# Altium PCB CPU_CARD.pcbdoc (part 3 of 10) (continued)
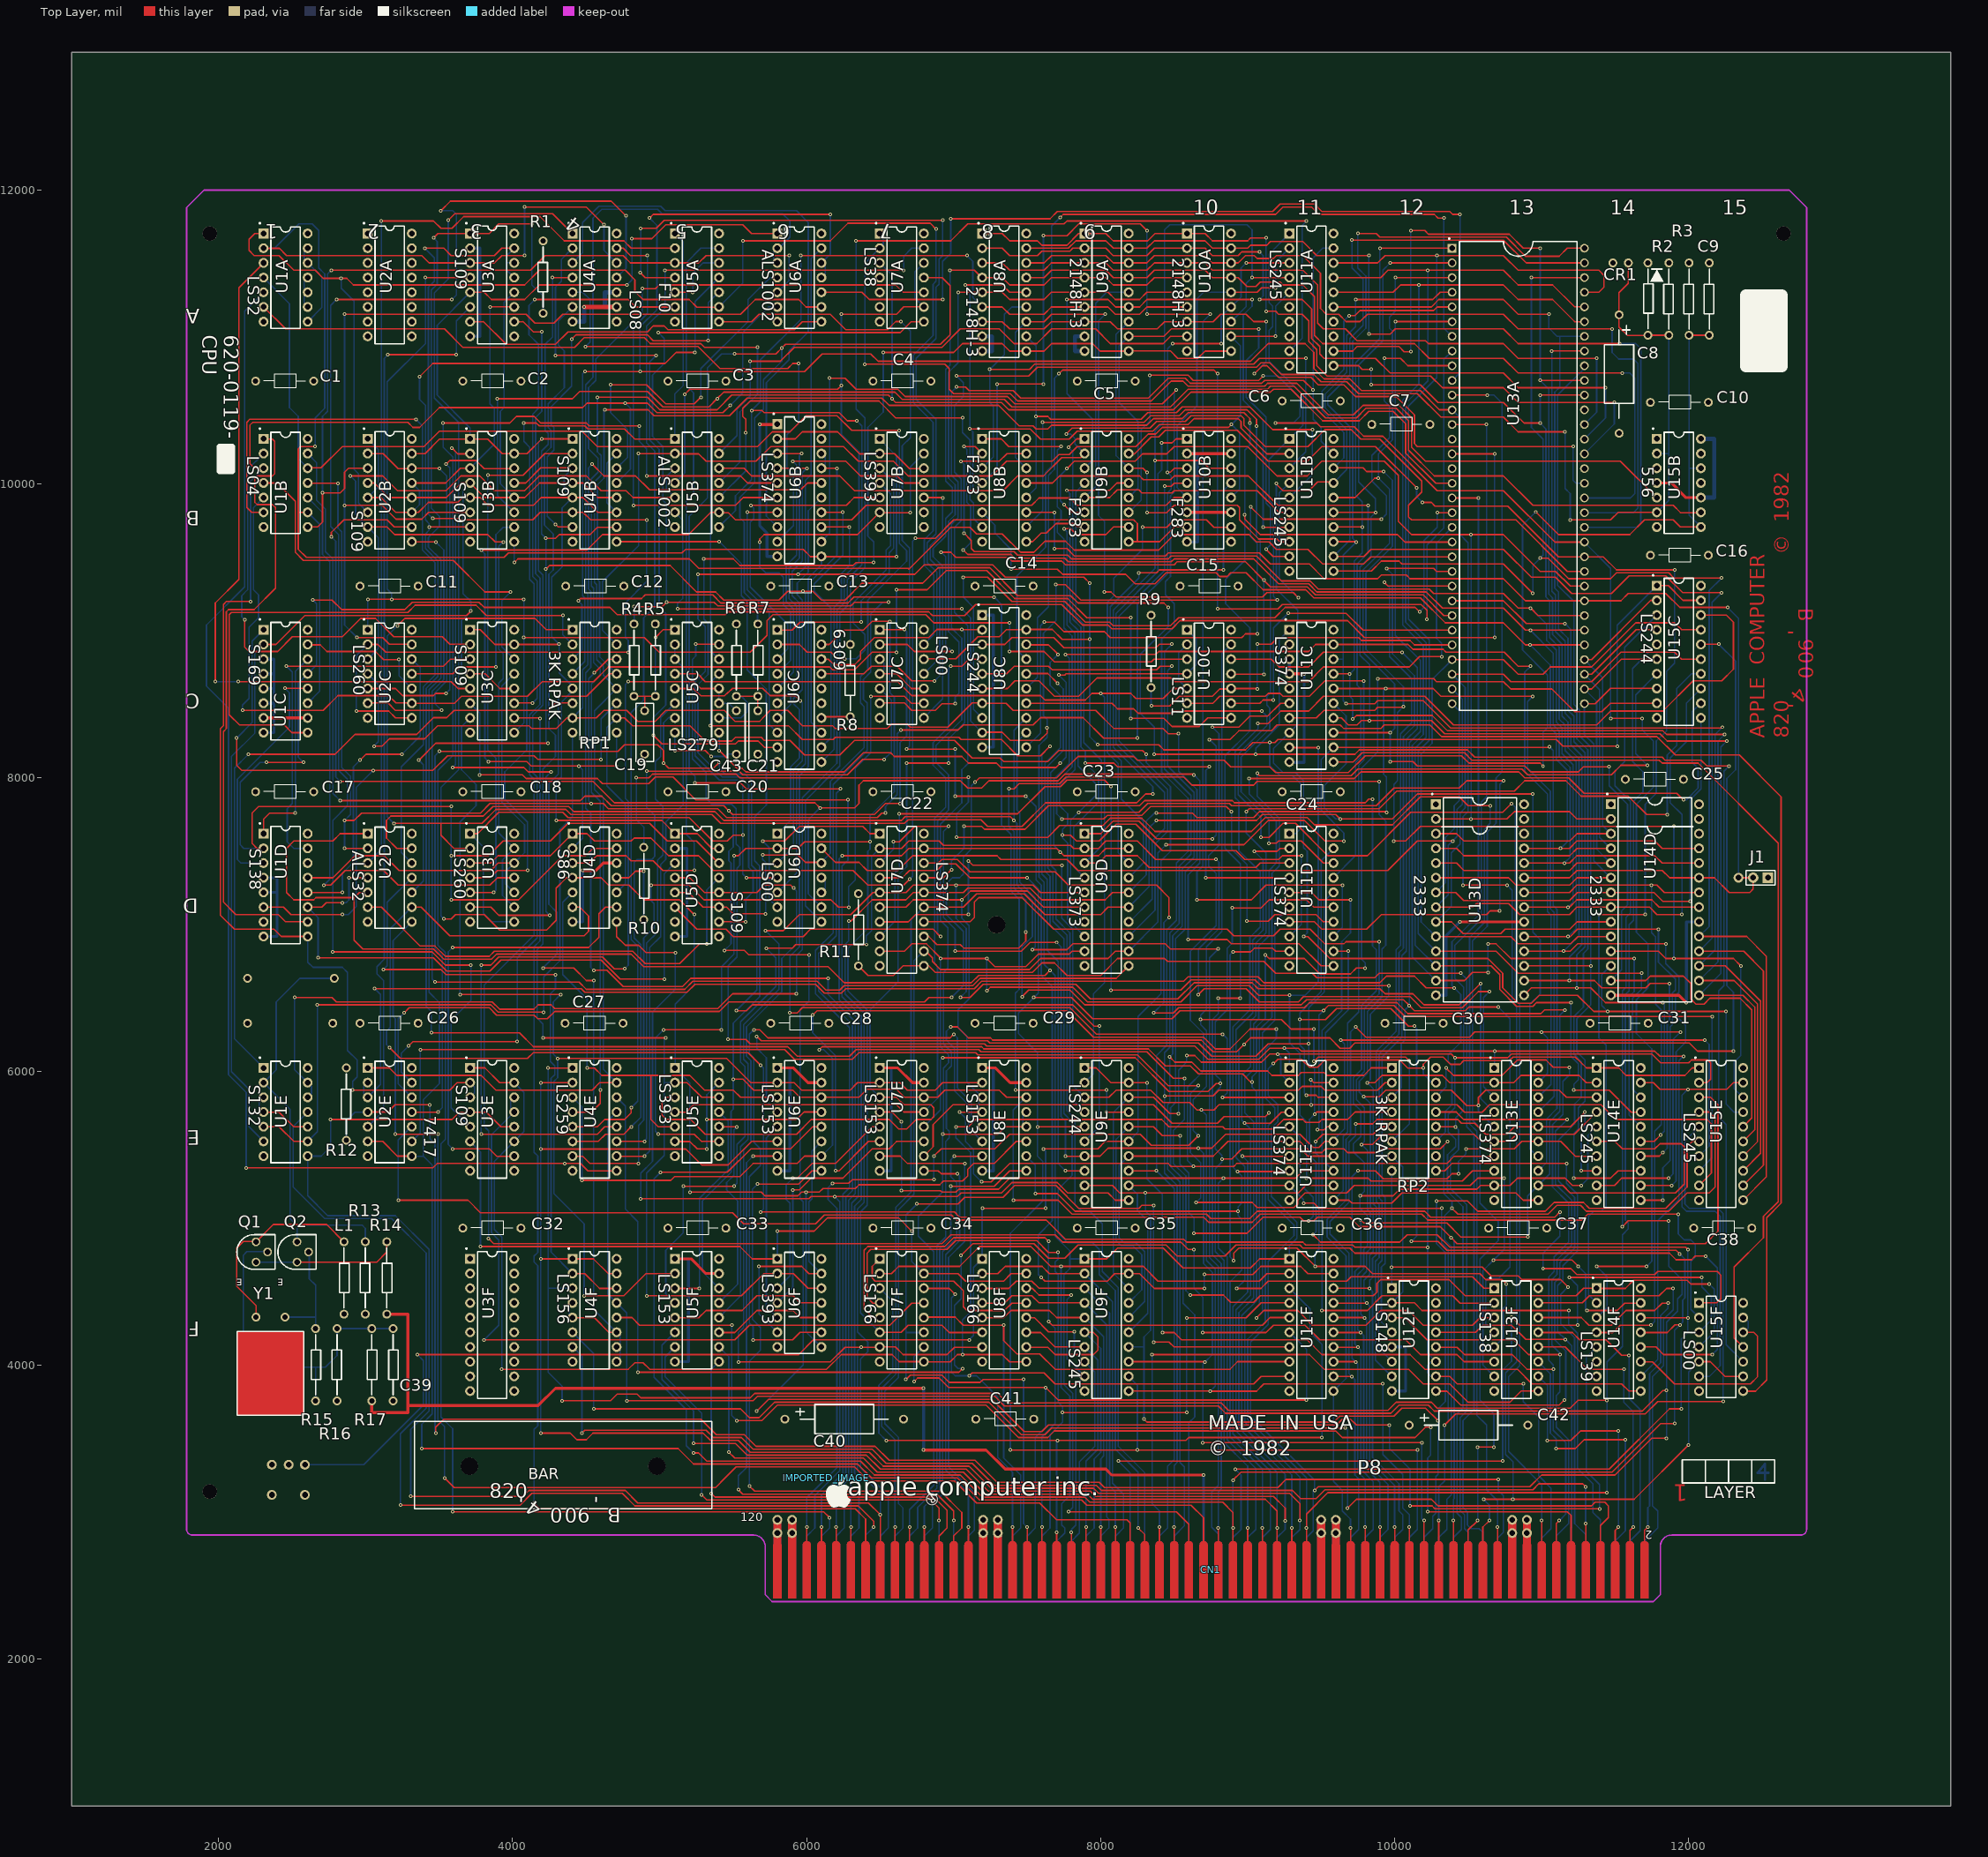
[diagram p0: Top Layer view]
## Footprints (in the part's own frame and the unit in brackets; to place one, negate y for a bottom-side part, rotate by r counter-clockwise, add the part's x,y. Pads: shape width x height; smd on the part's side, far side on the other; paste and mask are expansions set on the pad) (continued)
  Top Layer region: 36.877,4.952 36.839,4.953 36.839,4.953 36.801,4.952 36.801,4.952 36.763,4.949 36.763,4.949 36.726,4.944 36.726,4.944 36.688,4.937 36.688,4.937 36.652,4.928 36.652,4.928 36.616,4.916 36.616,4.916 36.58,4.903 36.58,4.903 36.545,4.888 36.545,4.888 36.511,4.871 36.511,4.871 36.478,4.853 36.478,4.853 36.446,4.833 36.446,4.833 36.415,4.81 36.415,4.81 36.386,4.786 36.386,4.786 36.358,4.761 36.358,4.761 36.331,4.734 36.331,4.734 36.305,4.706 36.305,4.706 36.282,4.677 36.282,4.677 36.26,4.646 36.26,4.646 36.239,4.614 36.239,4.614 36.22,4.581 36.22,4.581 36.204,4.547 36.204,4.547 36.189,4.512 36.189,4.512 36.176,4.477 36.176,4.477 36.165,4.44 36.165,4.44 36.155,4.403 36.155,4.403 36.148,4.366 36.148,4.366 36.143,4.329 36.143,4.329 36.14,4.291 36.14,4.291 36.139,4.253 36.139,4.253 36.139,-4.953 36.139,-4.953 37.539,-4.953 37.539,-4.953 37.539,4.253 37.539,4.253 37.538,4.291 37.538,4.291 37.535,4.329 37.535,4.329 37.53,4.366 37.53,4.366 37.523,4.403 37.523,4.403 37.513,4.44 37.513,4.44 37.502,4.477 37.502,4.477 37.489,4.512 37.489,4.512 37.474,4.547 37.474,4.547 37.457,4.581 37.457,4.581 37.439,4.614 37.439,4.614 37.418,4.646 37.418,4.646 37.396,4.677 37.396,4.677 37.372,4.706 37.372,4.706 37.347,4.734 37.347,4.734 37.32,4.761 37.32,4.761 37.292,4.786 37.292,4.786 37.263,4.81 37.263,4.81 37.232,4.833 37.232,4.833 37.2,4.853 37.2,4.853 37.167,4.871 37.167,4.871 37.133,4.888 37.133,4.888 37.098,4.903 37.098,4.903 37.062,4.916 37.062,4.916 37.026,4.928 37.026,4.928 36.989,4.937 36.989,4.937 36.952,4.944 36.952,4.944 36.915,4.949 36.915,4.949
  Top Layer region: 16.555,4.952 16.517,4.953 16.517,4.953 16.479,4.952 16.479,4.952 16.441,4.949 16.441,4.949 16.404,4.944 16.404,4.944 16.366,4.937 16.366,4.937 16.329,4.928 16.329,4.928 16.293,4.916 16.293,4.916 16.258,4.903 16.258,4.903 16.223,4.888 16.223,4.888 16.189,4.871 16.189,4.871 16.156,4.853 16.156,4.853 16.124,4.833 16.124,4.833 16.093,4.81 16.093,4.81 16.064,4.786 16.064,4.786 16.035,4.761 16.035,4.761 16.008,4.734 16.008,4.734 15.983,4.706 15.983,4.706 15.959,4.677 15.959,4.677 15.937,4.646 15.937,4.646 15.917,4.614 15.917,4.614 15.898,4.581 15.898,4.581 15.881,4.547 15.881,4.547 15.867,4.512 15.867,4.512 15.853,4.477 15.853,4.477 15.842,4.44 15.842,4.44 15.833,4.403 15.833,4.403 15.826,4.366 15.826,4.366 15.821,4.329 15.821,4.329 15.818,4.291 15.818,4.291 15.817,4.253 15.817,4.253 15.817,-4.953 15.817,-4.953 17.217,-4.953 17.217,-4.953 17.217,4.253 17.217,4.253 17.216,4.291 17.216,4.291 17.213,4.329 17.213,4.329 17.208,4.366 17.208,4.366 17.2,4.403 17.2,4.403 17.191,4.44 17.191,4.44 17.18,4.477 17.18,4.477 17.167,4.512 17.167,4.512 17.152,4.547 17.152,4.547 17.135,4.581 17.135,4.581 17.117,4.614 17.117,4.614 17.096,4.646 17.096,4.646 17.074,4.677 17.074,4.677 17.05,4.706 17.05,4.706 17.025,4.734 17.025,4.734 16.998,4.761 16.998,4.761 16.97,4.786 16.97,4.786 16.94,4.81 16.94,4.81 16.91,4.833 16.91,4.833 16.878,4.853 16.878,4.853 16.844,4.871 16.844,4.871 16.811,4.888 16.811,4.888 16.776,4.903 16.776,4.903 16.74,4.916 16.74,4.916 16.704,4.928 16.704,4.928 16.667,4.937 16.667,4.937 16.63,4.944 16.63,4.944 16.592,4.949 16.592,4.949
  Top Layer region: 19.095,4.952 19.057,4.953 19.057,4.953 19.019,4.952 19.019,4.952 18.981,4.949 18.981,4.949 18.944,4.944 18.944,4.944 18.906,4.937 18.906,4.937 18.87,4.927 18.87,4.927 18.834,4.916 18.834,4.916 18.798,4.903 18.798,4.903 18.763,4.888 18.763,4.888 18.729,4.871 18.729,4.871 18.696,4.853 18.696,4.853 18.664,4.832 18.664,4.832 18.633,4.81 18.633,4.81 18.604,4.786 18.604,4.786 18.576,4.761 18.576,4.761 18.549,4.734 18.549,4.734 18.524,4.706 18.524,4.706 18.5,4.677 18.5,4.677 18.478,4.646 18.478,4.646 18.457,4.614 18.457,4.614 18.438,4.581 18.438,4.581 18.422,4.547 18.422,4.547 18.407,4.512 18.407,4.512 18.394,4.477 18.394,4.477 18.383,4.44 18.383,4.44 18.373,4.403 18.373,4.403 18.366,4.366 18.366,4.366 18.361,4.329 18.361,4.329 18.358,4.291 18.358,4.291 18.357,4.253 18.357,4.253 18.357,-4.953 18.357,-4.953 19.757,-4.953 19.757,-4.953 19.757,4.253 19.757,4.253 19.756,4.291 19.756,4.291 19.753,4.329 19.753,4.329 19.748,4.366 19.748,4.366 19.741,4.403 19.741,4.403 19.731,4.44 19.731,4.44 19.72,4.477 19.72,4.477 19.707,4.512 19.707,4.512 19.692,4.547 19.692,4.547 19.675,4.581 19.675,4.581 19.657,4.614 19.657,4.614 19.636,4.646 19.636,4.646 19.614,4.677 19.614,4.677 19.59,4.706 19.59,4.706 19.565,4.734 19.565,4.734 19.539,4.761 19.539,4.761 19.51,4.786 19.51,4.786 19.481,4.81 19.481,4.81 19.45,4.832 19.45,4.832 19.418,4.853 19.418,4.853 19.385,4.871 19.385,4.871 19.351,4.888 19.351,4.888 19.316,4.903 19.316,4.903 19.281,4.916 19.281,4.916 19.244,4.927 19.244,4.927 19.207,4.937 19.207,4.937 19.17,4.944 19.17,4.944 19.133,4.949 19.133,4.949
  Top Layer region: 24.176,4.952 24.138,4.953 24.138,4.953 24.1,4.952 24.1,4.952 24.062,4.949 24.062,4.949 24.024,4.944 24.024,4.944 23.987,4.937 23.987,4.937 23.95,4.927 23.95,4.927 23.914,4.916 23.914,4.916 23.879,4.903 23.879,4.903 23.844,4.888 23.844,4.888 23.81,4.871 23.81,4.871 23.777,4.853 23.777,4.853 23.745,4.832 23.745,4.832 23.714,4.81 23.714,4.81 23.684,4.786 23.684,4.786 23.656,4.761 23.656,4.761 23.629,4.734 23.629,4.734 23.604,4.706 23.604,4.706 23.58,4.677 23.58,4.677 23.558,4.646 23.558,4.646 23.538,4.614 23.538,4.614 23.519,4.581 23.519,4.581 23.502,4.547 23.502,4.547 23.487,4.512 23.487,4.512 23.474,4.477 23.474,4.477 23.463,4.44 23.463,4.44 23.454,4.403 23.454,4.403 23.447,4.366 23.447,4.366 23.442,4.329 23.442,4.329 23.439,4.291 23.439,4.291 23.438,4.253 23.438,4.253 23.438,-4.953 23.438,-4.953 24.838,-4.953 24.838,-4.953 24.838,4.253 24.838,4.253 24.837,4.291 24.837,4.291 24.834,4.329 24.834,4.329 24.828,4.366 24.828,4.366 24.821,4.403 24.821,4.403 24.812,4.44 24.812,4.44 24.801,4.477 24.801,4.477 24.788,4.512 24.788,4.512 24.773,4.547 24.773,4.547 24.756,4.581 24.756,4.581 24.737,4.614 24.737,4.614 24.717,4.646 24.717,4.646 24.695,4.677 24.695,4.677 24.671,4.706 24.671,4.706 24.646,4.734 24.646,4.734 24.619,4.761 24.619,4.761 24.591,4.786 24.591,4.786 24.561,4.81 24.561,4.81 24.53,4.832 24.53,4.832 24.499,4.853 24.499,4.853 24.465,4.871 24.465,4.871 24.432,4.888 24.432,4.888 24.397,4.903 24.397,4.903 24.361,4.916 24.361,4.916 24.325,4.927 24.325,4.927 24.288,4.937 24.288,4.937 24.251,4.944 24.251,4.944 24.213,4.949 24.213,4.949
  Top Layer region: 21.635,4.952 21.597,4.953 21.597,4.953 21.559,4.952 21.559,4.952 21.522,4.949 21.522,4.949 21.484,4.944 21.484,4.944 21.447,4.937 21.447,4.937 21.41,4.928 21.41,4.928 21.374,4.916 21.374,4.916 21.338,4.903 21.338,4.903 21.303,4.888 21.303,4.888 21.269,4.872 21.269,4.872 21.236,4.853 21.236,4.853 21.205,4.833 21.205,4.833 21.174,4.81 21.174,4.81 21.144,4.787 21.144,4.787 21.116,4.761 21.116,4.761 21.089,4.735 21.089,4.735 21.064,4.706 21.064,4.706 21.04,4.677 21.04,4.677 21.018,4.646 21.018,4.646 20.997,4.614 20.997,4.614 20.979,4.581 20.979,4.581 20.962,4.547 20.962,4.547 20.947,4.512 20.947,4.512 20.934,4.477 20.934,4.477 20.923,4.44 20.923,4.44 20.914,4.404 20.914,4.404 20.906,4.366 20.906,4.366 20.901,4.329 20.901,4.329 20.898,4.291 20.898,4.291 20.897,4.253 20.897,4.253 20.897,-4.953 20.897,-4.953 22.297,-4.953 22.297,-4.953 22.297,4.253 22.297,4.253 22.296,4.291 22.296,4.291 22.293,4.329 22.293,4.329 22.288,4.366 22.288,4.366 22.281,4.404 22.281,4.404 22.272,4.44 22.272,4.44 22.261,4.477 22.261,4.477 22.248,4.512 22.248,4.512 22.233,4.547 22.233,4.547 22.216,4.581 22.216,4.581 22.197,4.614 22.197,4.614 22.177,4.646 22.177,4.646 22.154,4.677 22.154,4.677 22.131,4.706 22.131,4.706 22.105,4.735 22.105,4.735 22.079,4.761 22.079,4.761 22.05,4.787 22.05,4.787 22.021,4.81 22.021,4.81 21.99,4.833 21.99,4.833 21.958,4.853 21.958,4.853 21.925,4.872 21.925,4.872 21.891,4.888 21.891,4.888 21.857,4.903 21.857,4.903 21.821,4.916 21.821,4.916 21.785,4.928 21.785,4.928 21.748,4.937 21.748,4.937 21.711,4.944 21.711,4.944 21.673,4.949 21.673,4.949
  Top Layer region: 11.474,4.952 11.436,4.953 11.436,4.953 11.398,4.952 11.398,4.952 11.36,4.949 11.36,4.949 11.323,4.944 11.323,4.944 11.285,4.937 11.285,4.937 11.249,4.928 11.249,4.928 11.212,4.916 11.212,4.916 11.177,4.903 11.177,4.903 11.142,4.888 11.142,4.888 11.108,4.872 11.108,4.872 11.075,4.853 11.075,4.853 11.043,4.833 11.043,4.833 11.012,4.81 11.012,4.81 10.983,4.787 10.983,4.787 10.955,4.761 10.955,4.761 10.928,4.734 10.928,4.734 10.903,4.706 10.903,4.706 10.879,4.677 10.879,4.677 10.857,4.646 10.857,4.646 10.836,4.614 10.836,4.614 10.818,4.581 10.818,4.581 10.801,4.547 10.801,4.547 10.786,4.512 10.786,4.512 10.773,4.477 10.773,4.477 10.762,4.44 10.762,4.44 10.752,4.404 10.752,4.404 10.745,4.366 10.745,4.366 10.74,4.329 10.74,4.329 10.737,4.291 10.737,4.291 10.736,4.253 10.736,4.253 10.736,-4.953 10.736,-4.953 12.136,-4.953 12.136,-4.953 12.136,4.253 12.136,4.253 12.135,4.291 12.135,4.291 12.132,4.329 12.132,4.329 12.127,4.366 12.127,4.366 12.12,4.404 12.12,4.404 12.111,4.44 12.111,4.44 12.099,4.477 12.099,4.477 12.086,4.512 12.086,4.512 12.071,4.547 12.071,4.547 12.055,4.581 12.055,4.581 12.036,4.614 12.036,4.614 12.015,4.646 12.015,4.646 11.993,4.677 11.993,4.677 11.969,4.706 11.969,4.706 11.944,4.734 11.944,4.734 11.918,4.761 11.918,4.761 11.889,4.787 11.889,4.787 11.86,4.81 11.86,4.81 11.829,4.833 11.829,4.833 11.797,4.853 11.797,4.853 11.764,4.872 11.764,4.872 11.73,4.888 11.73,4.888 11.695,4.903 11.695,4.903 11.66,4.916 11.66,4.916 11.623,4.928 11.623,4.928 11.587,4.937 11.587,4.937 11.549,4.944 11.549,4.944 11.512,4.949 11.512,4.949
  Top Layer region: 14.014,4.952 13.976,4.953 13.976,4.953 13.938,4.952 13.938,4.952 13.901,4.949 13.901,4.949 13.863,4.944 13.863,4.944 13.826,4.937 13.826,4.937 13.789,4.928 13.789,4.928 13.753,4.916 13.753,4.916 13.717,4.903 13.717,4.903 13.682,4.888 13.682,4.888 13.648,4.872 13.648,4.872 13.615,4.853 13.615,4.853 13.583,4.833 13.583,4.833 13.553,4.81 13.553,4.81 13.523,4.787 13.523,4.787 13.495,4.761 13.495,4.761 13.468,4.734 13.468,4.734 13.443,4.706 13.443,4.706 13.419,4.677 13.419,4.677 13.397,4.646 13.397,4.646 13.376,4.614 13.376,4.614 13.358,4.581 13.358,4.581 13.341,4.547 13.341,4.547 13.326,4.512 13.326,4.512 13.313,4.477 13.313,4.477 13.302,4.44 13.302,4.44 13.293,4.404 13.293,4.404 13.286,4.366 13.286,4.366 13.28,4.329 13.28,4.329 13.277,4.291 13.277,4.291 13.276,4.253 13.276,4.253 13.276,-4.953 13.276,-4.953 14.676,-4.953 14.676,-4.953 14.676,4.253 14.676,4.253 14.675,4.291 14.675,4.291 14.672,4.329 14.672,4.329 14.667,4.366 14.667,4.366 14.66,4.404 14.66,4.404 14.651,4.44 14.651,4.44 14.64,4.477 14.64,4.477 14.627,4.512 14.627,4.512 14.612,4.547 14.612,4.547 14.595,4.581 14.595,4.581 14.576,4.614 14.576,4.614 14.556,4.646 14.556,4.646 14.533,4.677 14.533,4.677 14.51,4.706 14.51,4.706 14.484,4.734 14.484,4.734 14.458,4.761 14.458,4.761 14.43,4.787 14.43,4.787 14.4,4.81 14.4,4.81 14.369,4.833 14.369,4.833 14.337,4.853 14.337,4.853 14.304,4.872 14.304,4.872 14.27,4.888 14.27,4.888 14.235,4.903 14.235,4.903 14.2,4.916 14.2,4.916 14.163,4.928 14.163,4.928 14.127,4.937 14.127,4.937 14.09,4.944 14.09,4.944 14.052,4.949 14.052,4.949
  Top Layer region: 8.934,4.952 8.896,4.953 8.896,4.953 8.858,4.952 8.858,4.952 8.82,4.949 8.82,4.949 8.783,4.944 8.783,4.944 8.745,4.937 8.745,4.937 8.708,4.927 8.708,4.927 8.672,4.916 8.672,4.916 8.637,4.903 8.637,4.903 8.602,4.888 8.602,4.888 8.568,4.871 8.568,4.871 8.535,4.853 8.535,4.853 8.503,4.832 8.503,4.832 8.472,4.81 8.472,4.81 8.443,4.787 8.443,4.787 8.414,4.761 8.414,4.761 8.388,4.734 8.388,4.734 8.362,4.706 8.362,4.706 8.338,4.677 8.338,4.677 8.316,4.646 8.316,4.646 8.296,4.614 8.296,4.614 8.277,4.581 8.277,4.581 8.26,4.547 8.26,4.547 8.246,4.512 8.246,4.512 8.232,4.477 8.232,4.477 8.221,4.44 8.221,4.44 8.212,4.403 8.212,4.403 8.205,4.366 8.205,4.366 8.2,4.329 8.2,4.329 8.197,4.291 8.197,4.291 8.196,4.253 8.196,4.253 8.196,-4.953 8.196,-4.953 9.596,-4.953 9.596,-4.953 9.596,4.253 9.596,4.253 9.595,4.291 9.595,4.291 9.592,4.329 9.592,4.329 9.587,4.366 9.587,4.366 9.579,4.403 9.579,4.403 9.57,4.44 9.57,4.44 9.559,4.477 9.559,4.477 9.546,4.512 9.546,4.512 9.531,4.547 9.531,4.547 9.514,4.581 9.514,4.581 9.495,4.614 9.495,4.614 9.475,4.646 9.475,4.646 9.453,4.677 9.453,4.677 9.429,4.706 9.429,4.706 9.404,4.734 9.404,4.734 9.377,4.761 9.377,4.761 9.349,4.787 9.349,4.787 9.319,4.81 9.319,4.81 9.289,4.832 9.289,4.832 9.257,4.853 9.257,4.853 9.224,4.871 9.224,4.871 9.19,4.888 9.19,4.888 9.155,4.903 9.155,4.903 9.119,4.916 9.119,4.916 9.083,4.927 9.083,4.927 9.046,4.937 9.046,4.937 9.009,4.944 9.009,4.944 8.971,4.949 8.971,4.949
  Top Layer region: 6.393,4.952 6.355,4.953 6.355,4.953 6.318,4.952 6.318,4.952 6.28,4.949 6.28,4.949 6.242,4.944 6.242,4.944 6.205,4.937 6.205,4.937 6.168,4.928 6.168,4.928 6.132,4.916 6.132,4.916 6.096,4.903 6.096,4.903 6.062,4.888 6.062,4.888 6.028,4.872 6.028,4.872 5.995,4.853 5.995,4.853 5.963,4.833 5.963,4.833 5.932,4.81 5.932,4.81 5.902,4.787 5.902,4.787 5.874,4.761 5.874,4.761 5.847,4.735 5.847,4.735 5.822,4.706 5.822,4.706 5.798,4.677 5.798,4.677 5.776,4.646 5.776,4.646 5.756,4.614 5.756,4.614 5.737,4.581 5.737,4.581 5.72,4.547 5.72,4.547 5.705,4.512 5.705,4.512 5.692,4.477 5.692,4.477 5.681,4.44 5.681,4.44 5.672,4.404 5.672,4.404 5.665,4.366 5.665,4.366 5.66,4.329 5.66,4.329 5.656,4.291 5.656,4.291 5.655,4.253 5.655,4.253 5.656,-4.953 5.656,-4.953 7.056,-4.953 7.056,-4.953 7.055,4.253 7.055,4.253 7.054,4.291 7.054,4.291 7.051,4.329 7.051,4.329 7.046,4.366 7.046,4.366 7.039,4.404 7.039,4.404 7.03,4.44 7.03,4.44 7.019,4.477 7.019,4.477 7.006,4.512 7.006,4.512 6.991,4.547 6.991,4.547 6.974,4.581 6.974,4.581 6.955,4.614 6.955,4.614 6.935,4.646 6.935,4.646 6.913,4.677 6.913,4.677 6.889,4.706 6.889,4.706 6.864,4.735 6.864,4.735 6.837,4.761 6.837,4.761 6.809,4.787 6.809,4.787 6.779,4.81 6.779,4.81 6.748,4.833 6.748,4.833 6.716,4.853 6.716,4.853 6.683,4.872 6.683,4.872 6.649,4.888 6.649,4.888 6.615,4.903 6.615,4.903 6.579,4.916 6.579,4.916 6.543,4.928 6.543,4.928 6.506,4.937 6.506,4.937 6.469,4.944 6.469,4.944 6.431,4.949 6.431,4.949
  Top Layer region: 67.36,4.952 67.322,4.953 67.322,4.953 67.284,4.952 67.284,4.952 67.246,4.949 67.246,4.949 67.209,4.944 67.209,4.944 67.172,4.937 67.172,4.937 67.135,4.927 67.135,4.927 67.099,4.916 67.099,4.916 67.063,4.903 67.063,4.903 67.028,4.888 67.028,4.888 66.994,4.871 66.994,4.871 66.961,4.853 66.961,4.853 66.929,4.832 66.929,4.832 66.899,4.81 66.899,4.81 66.869,4.786 66.869,4.786 66.841,4.761 66.841,4.761 66.814,4.734 66.814,4.734 66.789,4.706 66.789,4.706 66.765,4.677 66.765,4.677 66.743,4.646 66.743,4.646 66.722,4.614 66.722,4.614 66.704,4.581 66.704,4.581 66.687,4.547 66.687,4.547 66.672,4.512 66.672,4.512 66.659,4.477 66.659,4.477 66.648,4.44 66.648,4.44 66.639,4.403 66.639,4.403 66.631,4.366 66.631,4.366 66.626,4.329 66.626,4.329 66.623,4.291 66.623,4.291 66.622,4.253 66.622,4.253 66.622,-4.953 66.622,-4.953 68.022,-4.953 68.022,-4.953 68.022,4.253 68.022,4.253 68.021,4.291 68.021,4.291 68.018,4.329 68.018,4.329 68.013,4.366 68.013,4.366 68.006,4.403 68.006,4.403 67.997,4.44 67.997,4.44 67.986,4.477 67.986,4.477 67.973,4.512 67.973,4.512 67.958,4.547 67.958,4.547 67.941,4.581 67.941,4.581 67.922,4.614 67.922,4.614 67.902,4.646 67.902,4.646 67.88,4.677 67.88,4.677 67.856,4.706 67.856,4.706 67.831,4.734 67.831,4.734 67.804,4.761 67.804,4.761 67.775,4.786 67.775,4.786 67.746,4.81 67.746,4.81 67.715,4.832 67.715,4.832 67.683,4.853 67.683,4.853 67.65,4.871 67.65,4.871 67.616,4.888 67.616,4.888 67.581,4.903 67.581,4.903 67.546,4.916 67.546,4.916 67.51,4.927 67.51,4.927 67.473,4.937 67.473,4.937 67.436,4.944 67.436,4.944 67.398,4.949 67.398,4.949
  Top Layer region: 69.9,4.952 69.862,4.953 69.862,4.953 69.825,4.952 69.825,4.952 69.787,4.949 69.787,4.949 69.749,4.944 69.749,4.944 69.712,4.937 69.712,4.937 69.675,4.927 69.675,4.927 69.639,4.916 69.639,4.916 69.603,4.903 69.603,4.903 69.569,4.888 69.569,4.888 69.535,4.872 69.535,4.872 69.502,4.853 69.502,4.853 69.47,4.832 69.47,4.832 69.439,4.81 69.439,4.81 69.41,4.787 69.41,4.787 69.381,4.761 69.381,4.761 69.354,4.734 69.354,4.734 69.329,4.706 69.329,4.706 69.305,4.677 69.305,4.677 69.283,4.646 69.283,4.646 69.263,4.614 69.263,4.614 69.244,4.581 69.244,4.581 69.227,4.547 69.227,4.547 69.212,4.512 69.212,4.512 69.199,4.477 69.199,4.477 69.188,4.44 69.188,4.44 69.179,4.404 69.179,4.404 69.172,4.366 69.172,4.366 69.167,4.329 69.167,4.329 69.164,4.291 69.164,4.291 69.163,4.253 69.163,4.253 69.163,-4.953 69.163,-4.953 70.562,-4.953 70.562,-4.953 70.562,4.253 70.562,4.253 70.561,4.291 70.561,4.291 70.558,4.329 70.558,4.329 70.553,4.366 70.553,4.366 70.546,4.404 70.546,4.404 70.537,4.44 70.537,4.44 70.526,4.477 70.526,4.477 70.513,4.512 70.513,4.512 70.498,4.547 70.498,4.547 70.481,4.581 70.481,4.581 70.462,4.614 70.462,4.614 70.442,4.646 70.442,4.646 70.42,4.677 70.42,4.677 70.396,4.706 70.396,4.706 70.371,4.734 70.371,4.734 70.344,4.761 70.344,4.761 70.316,4.787 70.316,4.787 70.286,4.81 70.286,4.81 70.255,4.832 70.255,4.832 70.223,4.853 70.223,4.853 70.19,4.872 70.19,4.872 70.156,4.888 70.156,4.888 70.121,4.903 70.121,4.903 70.086,4.916 70.086,4.916 70.05,4.927 70.05,4.927 70.013,4.937 70.013,4.937 69.976,4.944 69.976,4.944 69.938,4.949 69.938,4.949
  Top Layer region: 72.441,4.952 72.403,4.953 72.403,4.953 72.365,4.952 72.365,4.952 72.327,4.949 72.327,4.949 72.289,4.944 72.289,4.944 72.252,4.937 72.252,4.937 72.215,4.928 72.215,4.928 72.179,4.916 72.179,4.916 72.143,4.904 72.143,4.904 72.109,4.888 72.109,4.888 72.075,4.872 72.075,4.872 72.042,4.853 72.042,4.853 72.01,4.833 72.01,4.833 71.979,4.81 71.979,4.81 71.95,4.787 71.95,4.787 71.921,4.761 71.921,4.761 71.894,4.734 71.894,4.734 71.869,4.706 71.869,4.706 71.845,4.677 71.845,4.677 71.823,4.646 71.823,4.646 71.803,4.614 71.803,4.614 71.784,4.581 71.784,4.581 71.767,4.547 71.767,4.547 71.752,4.512 71.752,4.512 71.739,4.477 71.739,4.477 71.728,4.44 71.728,4.44 71.719,4.404 71.719,4.404 71.712,4.366 71.712,4.366 71.707,4.329 71.707,4.329 71.704,4.291 71.704,4.291 71.703,4.253 71.703,4.253 71.703,-4.953 71.703,-4.953 73.103,-4.953 73.103,-4.953 73.103,4.253 73.103,4.253 73.102,4.291 73.102,4.291 73.099,4.329 73.099,4.329 73.093,4.366 73.093,4.366 73.086,4.404 73.086,4.404 73.077,4.44 73.077,4.44 73.066,4.477 73.066,4.477 73.053,4.512 73.053,4.512 73.038,4.547 73.038,4.547 73.021,4.581 73.021,4.581 73.002,4.614 73.002,4.614 72.982,4.646 72.982,4.646 72.96,4.677 72.96,4.677 72.936,4.706 72.936,4.706 72.911,4.734 72.911,4.734 72.884,4.761 72.884,4.761 72.856,4.787 72.856,4.787 72.826,4.81 72.826,4.81 72.796,4.833 72.796,4.833 72.764,4.853 72.764,4.853 72.73,4.872 72.73,4.872 72.697,4.888 72.697,4.888 72.662,4.904 72.662,4.904 72.626,4.916 72.626,4.916 72.59,4.928 72.59,4.928 72.553,4.937 72.553,4.937 72.516,4.944 72.516,4.944 72.478,4.949 72.478,4.949
  Top Layer region: 57.199,4.952 57.161,4.953 57.161,4.953 57.123,4.952 57.123,4.952 57.085,4.949 57.085,4.949 57.048,4.944 57.048,4.944 57.011,4.937 57.011,4.937 56.974,4.927 56.974,4.927 56.938,4.916 56.938,4.916 56.902,4.903 56.902,4.903 56.867,4.888 56.867,4.888 56.833,4.871 56.833,4.871 56.8,4.853 56.8,4.853 56.768,4.832 56.768,4.832 56.737,4.81 56.737,4.81 56.708,4.786 56.708,4.786 56.68,4.761 56.68,4.761 56.653,4.734 56.653,4.734 56.628,4.706 56.628,4.706 56.604,4.677 56.604,4.677 56.582,4.646 56.582,4.646 56.561,4.614 56.561,4.614 56.543,4.581 56.543,4.581 56.526,4.547 56.526,4.547 56.511,4.512 56.511,4.512 56.498,4.477 56.498,4.477 56.487,4.44 56.487,4.44 56.478,4.403 56.478,4.403 56.47,4.366 56.47,4.366 56.465,4.329 56.465,4.329 56.462,4.291 56.462,4.291 56.461,4.253 56.461,4.253 56.461,-4.953 56.461,-4.953 57.861,-4.953 57.861,-4.953 57.861,4.253 57.861,4.253 57.86,4.291 57.86,4.291 57.857,4.329 57.857,4.329 57.852,4.366 57.852,4.366 57.845,4.403 57.845,4.403 57.836,4.44 57.836,4.44 57.824,4.477 57.824,4.477 57.811,4.512 57.811,4.512 57.797,4.547 57.797,4.547 57.779,4.581 57.779,4.581 57.761,4.614 57.761,4.614 57.741,4.646 57.741,4.646 57.718,4.677 57.718,4.677 57.695,4.706 57.695,4.706 57.669,4.734 57.669,4.734 57.643,4.761 57.643,4.761 57.614,4.786 57.614,4.786 57.585,4.81 57.585,4.81 57.554,4.832 57.554,4.832 57.522,4.853 57.522,4.853 57.489,4.871 57.489,4.871 57.455,4.888 57.455,4.888 57.42,4.903 57.42,4.903 57.385,4.916 57.385,4.916 57.348,4.927 57.348,4.927 57.311,4.937 57.311,4.937 57.274,4.944 57.274,4.944 57.237,4.949 57.237,4.949
  Top Layer region: 59.739,4.952 59.701,4.953 59.701,4.953 59.663,4.952 59.663,4.952 59.626,4.949 59.626,4.949 59.588,4.944 59.588,4.944 59.551,4.937 59.551,4.937 59.514,4.927 59.514,4.927 59.478,4.916 59.478,4.916 59.442,4.903 59.442,4.903 59.407,4.888 59.407,4.888 59.374,4.871 59.374,4.871 59.341,4.853 59.341,4.853 59.309,4.832 59.309,4.832 59.278,4.81 59.278,4.81 59.248,4.786 59.248,4.786 59.22,4.761 59.22,4.761 59.193,4.734 59.193,4.734 59.168,4.706 59.168,4.706 59.144,4.677 59.144,4.677 59.122,4.646 59.122,4.646 59.101,4.614 59.101,4.614 59.083,4.581 59.083,4.581 59.066,4.547 59.066,4.547 59.051,4.512 59.051,4.512 59.038,4.477 59.038,4.477 59.027,4.44 59.027,4.44 59.018,4.403 59.018,4.403 59.011,4.366 59.011,4.366 59.006,4.329 59.006,4.329 59.002,4.291 59.002,4.291 59.002,4.253 59.002,4.253 59.002,-4.953 59.002,-4.953 60.401,-4.953 60.401,-4.953 60.401,4.253 60.401,4.253 60.4,4.291 60.4,4.291 60.397,4.329 60.397,4.329 60.392,4.366 60.392,4.366 60.385,4.403 60.385,4.403 60.376,4.44 60.376,4.44 60.365,4.477 60.365,4.477 60.352,4.512 60.352,4.512 60.337,4.547 60.337,4.547 60.32,4.581 60.32,4.581 60.301,4.614 60.301,4.614 60.281,4.646 60.281,4.646 60.259,4.677 60.259,4.677 60.235,4.706 60.235,4.706 60.21,4.734 60.21,4.734 60.183,4.761 60.183,4.761 60.154,4.786 60.154,4.786 60.125,4.81 60.125,4.81 60.094,4.832 60.094,4.832 60.062,4.853 60.062,4.853 60.029,4.871 60.029,4.871 59.995,4.888 59.995,4.888 59.961,4.903 59.961,4.903 59.925,4.916 59.925,4.916 59.889,4.927 59.889,4.927 59.852,4.937 59.852,4.937 59.815,4.944 59.815,4.944 59.777,4.949 59.777,4.949
  Top Layer region: 64.82,4.952 64.782,4.953 64.782,4.953 64.744,4.952 64.744,4.952 64.706,4.949 64.706,4.949 64.669,4.944 64.669,4.944 64.631,4.937 64.631,4.937 64.595,4.927 64.595,4.927 64.559,4.916 64.559,4.916 64.523,4.903 64.523,4.903 64.488,4.888 64.488,4.888 64.454,4.871 64.454,4.871 64.421,4.853 64.421,4.853 64.389,4.832 64.389,4.832 64.358,4.81 64.358,4.81 64.329,4.786 64.329,4.786 64.301,4.761 64.301,4.761 64.274,4.734 64.274,4.734 64.249,4.706 64.249,4.706 64.225,4.677 64.225,4.677 64.203,4.646 64.203,4.646 64.182,4.614 64.182,4.614 64.164,4.581 64.164,4.581 64.147,4.547 64.147,4.547 64.132,4.512 64.132,4.512 64.119,4.477 64.119,4.477 64.107,4.44 64.107,4.44 64.098,4.403 64.098,4.403 64.091,4.366 64.091,4.366 64.086,4.329 64.086,4.329 64.083,4.291 64.083,4.291 64.082,4.253 64.082,4.253 64.082,-4.953 64.082,-4.953 65.482,-4.953 65.482,-4.953 65.482,4.253 65.482,4.253 65.481,4.291 65.481,4.291 65.478,4.329 65.478,4.329 65.473,4.366 65.473,4.366 65.466,4.403 65.466,4.403 65.456,4.44 65.456,4.44 65.445,4.477 65.445,4.477 65.432,4.512 65.432,4.512 65.417,4.547 65.417,4.547 65.4,4.581 65.4,4.581 65.382,4.614 65.382,4.614 65.361,4.646 65.361,4.646 65.339,4.677 65.339,4.677 65.315,4.706 65.315,4.706 65.29,4.734 65.29,4.734 65.263,4.761 65.263,4.761 65.235,4.786 65.235,4.786 65.206,4.81 65.206,4.81 65.175,4.832 65.175,4.832 65.143,4.853 65.143,4.853 65.11,4.871 65.11,4.871 65.076,4.888 65.076,4.888 65.041,4.903 65.041,4.903 65.006,4.916 65.006,4.916 64.969,4.927 64.969,4.927 64.932,4.937 64.932,4.937 64.895,4.944 64.895,4.944 64.858,4.949 64.858,4.949
  Top Layer region: 62.28,4.952 62.242,4.953 62.242,4.953 62.204,4.952 62.204,4.952 62.166,4.949 62.166,4.949 62.128,4.944 62.128,4.944 62.091,4.937 62.091,4.937 62.054,4.927 62.054,4.927 62.018,4.916 62.018,4.916 61.982,4.903 61.982,4.903 61.948,4.888 61.948,4.888 61.914,4.871 61.914,4.871 61.881,4.853 61.881,4.853 61.849,4.832 61.849,4.832 61.818,4.81 61.818,4.81 61.788,4.787 61.788,4.787 61.76,4.761 61.76,4.761 61.734,4.734 61.734,4.734 61.708,4.706 61.708,4.706 61.684,4.677 61.684,4.677 61.662,4.646 61.662,4.646 61.642,4.614 61.642,4.614 61.623,4.581 61.623,4.581 61.606,4.547 61.606,4.547 61.591,4.512 61.591,4.512 61.578,4.477 61.578,4.477 61.567,4.44 61.567,4.44 61.558,4.404 61.558,4.404 61.551,4.366 61.551,4.366 61.546,4.329 61.546,4.329 61.543,4.291 61.543,4.291 61.542,4.253 61.542,4.253 61.542,-4.953 61.542,-4.953 62.942,-4.953 62.942,-4.953 62.942,4.253 62.942,4.253 62.941,4.291 62.941,4.291 62.938,4.329 62.938,4.329 62.932,4.366 62.932,4.366 62.925,4.404 62.925,4.404 62.916,4.44 62.916,4.44 62.905,4.477 62.905,4.477 62.892,4.512 62.892,4.512 62.877,4.547 62.877,4.547 62.86,4.581 62.86,4.581 62.841,4.614 62.841,4.614 62.821,4.646 62.821,4.646 62.799,4.677 62.799,4.677 62.775,4.706 62.775,4.706 62.75,4.734 62.75,4.734 62.723,4.761 62.723,4.761 62.695,4.787 62.695,4.787 62.665,4.81 62.665,4.81 62.635,4.832 62.635,4.832 62.603,4.853 62.603,4.853 62.569,4.871 62.569,4.871 62.535,4.888 62.535,4.888 62.501,4.903 62.501,4.903 62.465,4.916 62.465,4.916 62.429,4.927 62.429,4.927 62.392,4.937 62.392,4.937 62.355,4.944 62.355,4.944 62.317,4.949 62.317,4.949
  Top Layer region: 52.118,4.952 52.08,4.953 52.08,4.953 52.043,4.952 52.043,4.952 52.005,4.949 52.005,4.949 51.967,4.944 51.967,4.944 51.93,4.937 51.93,4.937 51.893,4.927 51.893,4.927 51.857,4.916 51.857,4.916 51.821,4.903 51.821,4.903 51.786,4.888 51.786,4.888 51.752,4.871 51.752,4.871 51.72,4.853 51.72,4.853 51.688,4.832 51.688,4.832 51.657,4.81 51.657,4.81 51.627,4.787 51.627,4.787 51.599,4.761 51.599,4.761 51.572,4.734 51.572,4.734 51.547,4.706 51.547,4.706 51.523,4.677 51.523,4.677 51.501,4.646 51.501,4.646 51.481,4.614 51.481,4.614 51.462,4.581 51.462,4.581 51.445,4.547 51.445,4.547 51.43,4.512 51.43,4.512 51.417,4.477 51.417,4.477 51.406,4.44 51.406,4.44 51.397,4.404 51.397,4.404 51.39,4.366 51.39,4.366 51.385,4.329 51.385,4.329 51.381,4.291 51.381,4.291 51.38,4.253 51.38,4.253 51.38,-4.953 51.38,-4.953 52.78,-4.953 52.78,-4.953 52.78,4.253 52.78,4.253 52.779,4.291 52.779,4.291 52.776,4.329 52.776,4.329 52.771,4.366 52.771,4.366 52.764,4.404 52.764,4.404 52.755,4.44 52.755,4.44 52.744,4.477 52.744,4.477 52.731,4.512 52.731,4.512 52.716,4.547 52.716,4.547 52.699,4.581 52.699,4.581 52.68,4.614 52.68,4.614 52.66,4.646 52.66,4.646 52.638,4.677 52.638,4.677 52.614,4.706 52.614,4.706 52.589,4.734 52.589,4.734 52.562,4.761 52.562,4.761 52.534,4.787 52.534,4.787 52.504,4.81 52.504,4.81 52.473,4.832 52.473,4.832 52.441,4.853 52.441,4.853 52.408,4.871 52.408,4.871 52.374,4.888 52.374,4.888 52.34,4.903 52.34,4.903 52.304,4.916 52.304,4.916 52.268,4.927 52.268,4.927 52.231,4.937 52.231,4.937 52.194,4.944 52.194,4.944 52.156,4.949 52.156,4.949